# Altium PCB 18 4  第一版.PcbDoc (part 2 of 3)
Units mm, origin at the board's own origin, x right, y up, seen from the top; angles counter-clockwise.
Board outline 322.75 x 95.07 mm, 2 copper layers (Top Layer, Bottom Layer); 287 components, 198 nets, 1010 pads, 292 vias.
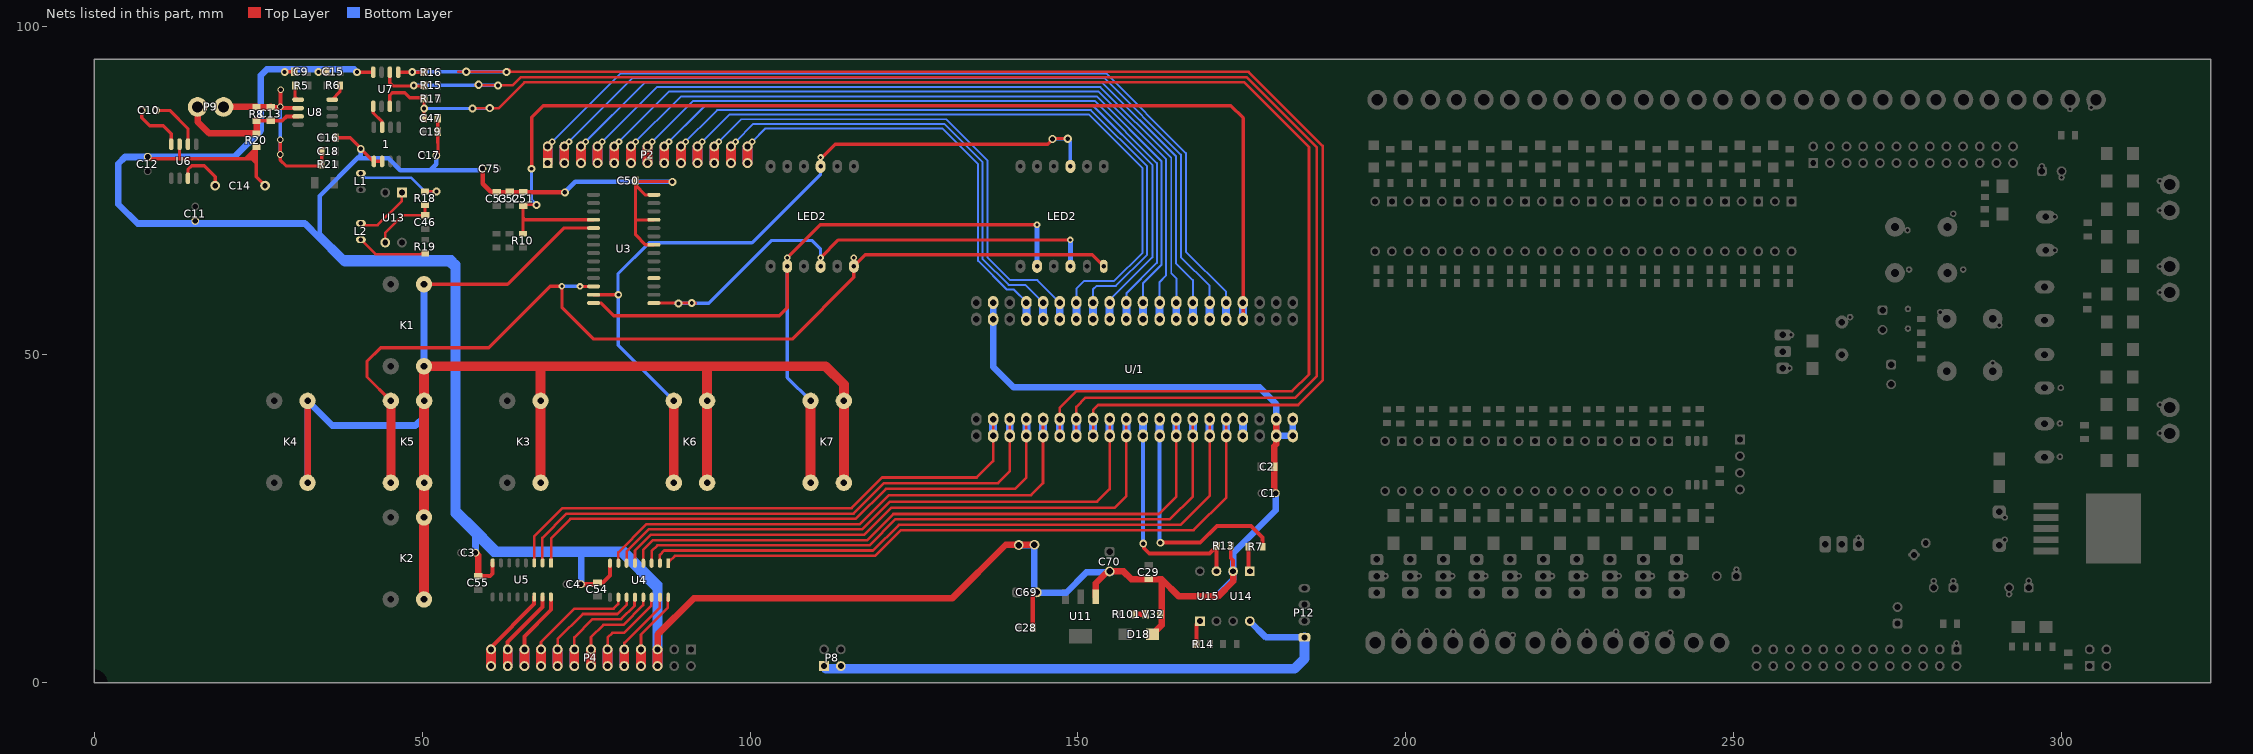
[diagram p2: the nets of this part, all layers, seen from the top]

## Via types
v1: diameter 1, hole 0.5, Top Layer to Bottom Layer, 155 vias
v2: diameter 3.5, hole 3, Top Layer to Bottom Layer, 43 vias
v3: diameter 1.2, hole 0.6, Top Layer to Bottom Layer, 28 vias
v4: diameter 1.6, hole 1.6, Top Layer to Bottom Layer, 14 vias
v5: diameter 6, hole 3.5, Top Layer to Bottom Layer, 11 vias
v6: diameter 1.25, hole 0.7, Top Layer to Bottom Layer, 11 vias
v7: diameter 1.27, hole 0.711, Top Layer to Bottom Layer, 11 vias
v8: diameter 3.05, hole 3.05, Top Layer to Bottom Layer, 6 vias
v9: diameter 1.2, hole 0.7, Top Layer to Bottom Layer, 4 vias
v10: diameter 1, hole 0.7, Top Layer to Bottom Layer, 4 vias
v11: diameter 1.5, hole 1, Top Layer to Bottom Layer, 2 vias
v12: diameter 1.2, hole 0.8, Top Layer to Bottom Layer, 2 vias
v13: diameter 3, hole 3, Top Layer to Bottom Layer, 1 vias

## Nets (pads, with @x,y where several pads share a name; then routed paths per layer and width w, separated by ;. In a path a pad name is that pad's centre, name@x,y a point inside that pad or via, vN(x,y) a via of type N, cw(c..) or ccw(c..) an arc to the next point about the centre after c; other vN are vias at no path point) (continued)
DVCC: P8.1 P8.3 P12.1 U14.4 | length 86.2
  Bottom Layer w1: U14.4@176.205,9.38 178.685,6.9 P12.1@184.525,6.9
  Bottom Layer w1.5: P8.1@111.55,2.125 183,2.125 184.525,3.65 P12.1@184.525,6.9
E: K5.2 LED2.1 U3.12 | length 155.5
  Top Layer w0.5: K5.2@45.212,42.98 41.575,46.617 41.575,49 43.65,51.075 60.125,51.075 69.5,60.45 v1(71.3,60.45) 71.3,57.25 76.15,52.4 106.425,52.4 115.824,61.799 LED2.1@115.824,63.5 ; v1(74.06,60.435) U3.12@76.124,60.435 ; v1(115.824,64.799) LED2.1@115.824,63.5 ; LED2.1@153.924,63.5 152.174,65.25 117.574,65.25 LED2.1@115.824,63.5
  Top Layer w1.4: K5.2@45.212,30.48 K5.2@45.212,42.98
  Bottom Layer w0.5: v1(71.3,60.45) 74.045,60.45 v1(74.06,60.435)
F: K6.2 LED2.10 U3.13 | length 124.1
  Top Layer w0.5: U3.13@76.124,59.165 v3(79.9,59.165) ; LED2.10@110.744,78.74 110.744,79.869 113,82.125 145.375,82.125 146.225,82.975 v7@148.425,82.975
  Top Layer w1.5: K6.2@88.367,30.48 K6.2@88.367,42.98
  Bottom Layer w0.5: v3@79.85,59.425 79.85,62.325 84.625,67.1 100.3,67.1 110.744,77.544 LED2.10@110.744,78.74 ; v3@79.875,59.165 79.875,51.472 K6.2@88.367,42.98 ; v7(146.125,82.925) 148.4,82.925 v7(148.425,82.95) 148.844,82.531 LED2.10@148.844,78.74
  other v1: 110.75,80.1
G: K7.2 LED2.5 U3.14 | length 119.5
  Top Layer w0.5: U3.14@76.124,57.895 77.28,57.895 79.225,55.95 104.45,55.95 105.664,57.164 LED2.5@105.664,63.5 v1(105.664,64.799) 110.69,69.825 v1(143.75,69.825)
  Top Layer w1.5: K7.2@109.22,30.48 K7.2@109.22,42.98
  Bottom Layer w0.5: LED2.5@105.664,63.5 105.664,46.536 K7.2@109.22,42.98
  Bottom Layer w0.8: LED2.5@143.75,63.514 v1(143.75,69.825)
G12V: 
GND: 1.5 1.6 C1.2 C2.2 C3.2 C4.1 C9.1 C11.2 C12.1 C14.1 C15.1 C16.2 C17.2 C19.1 C28.2 C29.2 C47.1 C50.1 C51.2 C52.1 C53.1 C54.1 C55.1 C69.2 C70.2 C75.2 D18.1 P4.3 P4.16 R13.2 R20.1 U3.22 U3.25 U3.28 U4.8 U5.8 U6.3 U7.4 U11.1 U14.2 U/1.19 U/1.39 U/1.40 V32.K | length 706.2
  Top Layer w0.5: C12.1@7.875,80.17 8.145,79.9 23,79.9 ; 12.99,80.05 U6.3@12.99,82.125 U6.3@12.99,82.275 ; R20.1@24.4,81.3 23.412,80.312 ; R20.1@24.7,81.675 24.7,81 ; C14.1@26.035,75.8 24.7,77.135 24.7,79.2 ; v3(29.025,93.125) 29.05,93.15 C9.1@30.475,93.15 ; v3@34.15,93.1 C15.1@35.375,93.1 ; C16.2@36.753,83.092 39.028,83.092 v9@40.672,81.448 ; v3@39.85,93.1 v3(40.025,93.1) U7.4@42.52,93.1 ; v9(40.625,81.4) 42.525,79.5 1.5@42.62,79.5 1.6@43.89,79.5 ; C47.1@52.375,86.15 52.375,84.15 52.376,84.05 52.395,80.401 C17.2@52.396,80.2 ; U3.22@85.326,66.785 84.04,66.785 82.525,68.3 82.525,70.575 ; U3.25@85.326,70.595 85.306,70.575 82.525,70.575 ; U3.28@85.326,74.405 85.296,74.375 84,74.375 82.525,75.85 ; v6@88.4,76.475 88.35,76.425 82.525,76.425 82.525,75.85 ; 23,79.9 24,79.9 ; 23,79.9 23.412,80.312 ; 23.412,80.312 23.838,80.312 23.925,80.225 ; 23.925,80.225 24.7,80.225 ; 23.925,80.225 24.7,81 ; 24,79.9 24.475,79.9 24.7,80.125 ; 24,79.9 24.7,79.2 ; 24.7,79.2 24.7,80.125 ; 24.7,80.125 24.7,80.225 ; 24.7,80.225 24.7,81 ; 82.525,70.575 82.525,75.85
  Top Layer w0.6: C55.1@58.55,16.275 60.375,16.275 60.73,16.63 U5.8@60.73,18.275 ; C54.1@76.725,15.275 77.55,15.275 78.63,16.355 U4.8@78.63,18.225 ; R13.2@173.303,20.85 173.303,18.997 173.665,18.635 U14.2@173.665,17
  Top Layer w0.7: C75.2@59.2,78.4 59.2,76.075 60.5,74.775 v6(71.75,74.775) ; C4.1@74.2,15.025 76.475,15.025 C54.1@76.725,15.275 ; C28.2@143.125,8.375 143.125,13.175 C69.2@143.725,13.775
  Top Layer w1: C3.2@58.125,19.825 58.55,19.4 C55.1@58.55,16.275 ; P4.3@85.892,5.08 85.892,7.342 91.4,12.85 130.8,12.85 139,21.05 v11@143.4,21.05 ; U11.1@152.7,13.1 152.7,15.15 C70.2@154.3,16.75 ; C70.2@154.825,16.975 156.95,16.975 158.15,15.775 162.775,15.775 ; D18.1@161.35,7.375 162.75,8.775 162.75,15.75 162.775,15.775 ; U14.2@173.665,17 173.665,15.465 171.35,13.15 165.4,13.15 162.775,15.775 ; C1.2@180.175,28.9 179.95,29.125 C2.2@179.95,32.9 179.95,36.05 180.25,36.35 180.25,40.17 U/1.39@180.235,40.185
  Top Layer w1.5: P4.16@85.892,2.54 P4.3@85.892,5.08
  Bottom Layer w0.7: 34.375,68.325 34.375,74.225 40.1,79.95 ; v9(40.625,81.4) 40.625,80.475 40.1,79.95 ; C17.2@52.15,80.4 52.15,79.075 51.25,78.175 ; C75.2@59.2,78.4 58.975,78.175 51.25,78.175 ; v6(71.75,74.775) 73.35,76.375 v6(88.15,76.375) ; C69.2@143.35,14.15 C69.2@143.725,13.775 ; 40.1,79.95 44.859,79.95 46.634,78.175 51.25,78.175
  Bottom Layer w1: C12.1@7.875,80.17 4.67,80.17 3.65,79.15 3.65,72.975 6.6,70.025 32.1,70.025 34.35,67.775 ; C12.1@8.125,80.2 21.375,80.2 25.4,84.225 25.4,92.625 26.3,93.525 ; 27.075,93.525 26.3,93.525 ; 33.675,68.425 38.156,63.944 54.094,63.944 ; 34.375,68.325 37.987,64.713 53.325,64.713 ; v3(40.025,93.1) 39.6,93.525 26.3,93.525 ; C3.2@58.125,19.825 58.125,22.4 ; 60.85,19.675 74.25,19.675 ; C4.1@74.2,15.025 74.25,15.075 74.25,19.675 ; P4.3@85.65,4.625 85.65,14.3 80.275,19.675 74.25,19.675 ; P4.3@86.125,4.625 86.125,15 80.875,20.25 61.45,20.25 60.75,20.95 ; U/1.19@137.055,57.965 137.055,48.17 140.2,45.025 177.7,45.025 180.235,42.49 U/1.39@180.235,40.185 ; v11(140.975,20.975) 143.3,20.975 v11(143.35,21.025) C69.2@143.35,14.15 ; C69.2@144.05,13.725 148.2,13.725 151.3,16.825 C70.2@155.125,16.825 ; 171.775,13.85 173.665,15.74 U14.2@173.665,17 ; U14.2@173.475,16.81 U14.2@173.665,17 ; C1.2@180.175,28.9 180.175,26.3 173.665,19.79 U14.2@173.665,17 ; U/1.39@180.175,40.125 U/1.39@180.235,40.185 ; U/1.40@182.775,40.185 U/1.40@182.775,37.645 U/1.39@180.235,37.645 U/1.39@180.235,40.185 ; 53.325,64.713 54.094,63.944 ; 53.325,64.713 54.462,64.713 55.35,63.825 ; 54.094,63.944 55.231,63.944 55.35,63.825 ; 54.094,63.944 54.775,63.262 54.775,25.75 55.35,25.175 ; 55.35,25.175 58.125,22.4 ; 55.35,25.175 55.35,26.35 ; 55.35,26.35 58.275,23.425 ; 55.35,26.35 55.35,63.825 ; 58.125,22.4 60.75,19.775 60.75,20.95 ; 58.125,22.4 58.125,23.275 58.275,23.425 ; 58.275,23.425 60.75,20.95
  Bottom Layer w1.5: P4.16@85.892,2.54 P4.3@85.892,5.08
  other v3: 34.15,93.125
H: LED2.3 U3.15 | length 80.3
  Top Layer w0.5: U3.15@85.326,57.895 91.67,57.895 v3@91.675,57.9 ; LED2.3@110.744,63.5 v1(110.744,64.799) 113.47,67.525 v1(148.844,67.525)
  Bottom Layer w0.5: v3@88.525,57.875 93.7,57.875 103.275,67.45 109.425,67.45 110.744,66.131 LED2.3@110.744,63.5
  Bottom Layer w0.8: LED2.3@148.844,63.5 v1(148.844,67.525)
  other v3: 89.075,57.85 91.1,57.9
I1: 
I2: 
I3: 
I4: 
I5: 
I6: 
I7: 
I8: 
I9: 
IA: 
IB: 
IC: 
ID: 
IE: 
IN1: P2.1 P2.14 U/1.5 | length 139.9
  Top Layer w1.5: P2.1@69.128,79.248 P2.14@69.128,81.788
  Bottom Layer w0.3: P2.14@69.128,81.788 80.265,92.925 154.3,92.925 166.45,80.775 166.45,65.75 172.595,59.605 U/1.5@172.595,57.965
  Bottom Layer w1.2: U/1.5@172.595,55.425 U/1.5@172.595,57.965
  Bottom Layer w1.5: P2.1@69.128,79.248 P2.14@69.128,81.788
  other v1: 69.846,82.506
IN2: P2.2 P2.15 U/1.6 | length 135.2
  Top Layer w1.5: P2.2@71.668,79.248 P2.15@71.668,81.788
  Bottom Layer w0.3: P2.15@71.668,81.788 82.105,92.225 154.01,92.225 165.7,80.535 165.7,64.875 170.075,60.5 U/1.6@170.075,57.965
  Bottom Layer w1.2: U/1.6@170.075,55.425 U/1.6@170.075,57.965
  Bottom Layer w1.5: P2.2@71.668,79.248 P2.15@71.668,81.788
  other v1: 72.386,82.506
IN3: P2.3 P2.16 U/1.7 | length 130.4
  Top Layer w1.5: P2.3@74.208,79.248 P2.16@74.208,81.788
  Bottom Layer w0.3: P2.16@74.208,81.788 83.945,91.525 153.72,91.525 164.925,80.32 164.925,64 167.535,61.39 U/1.7@167.535,57.965
  Bottom Layer w1.2: U/1.7@167.535,55.425 U/1.7@167.535,57.965
  Bottom Layer w1.5: P2.3@74.208,79.248 P2.16@74.208,81.788
  other v1: 74.926,82.506
IN4: P2.4 P2.17 U/1.8 | length 125.7
  Top Layer w1.5: P2.4@76.748,79.248 P2.17@76.748,81.788
  Bottom Layer w0.3: P2.17@76.748,81.788 85.785,90.825 153.43,90.825 164.225,80.03 164.225,62.425 164.995,61.655 U/1.8@164.995,57.965
  Bottom Layer w1.2: U/1.8@164.995,55.425 U/1.8@164.995,57.965
  Bottom Layer w1.5: P2.4@76.748,79.248 P2.17@76.748,81.788
  other v1: 77.466,82.506
IN5: P2.5 P2.18 U/1.9 | length 121.8
  Top Layer w1.5: P2.5@79.288,79.248 P2.18@79.288,81.788
  Bottom Layer w0.3: P2.18@79.288,81.788 87.625,90.125 153.14,90.125 163.45,79.815 163.45,62.1 162.455,61.105 U/1.9@162.455,57.965
  Bottom Layer w1.2: U/1.9@162.455,55.425 U/1.9@162.455,57.965
  Bottom Layer w1.5: P2.5@79.288,79.248 P2.18@79.288,81.788
  other v1: 80.006,82.506
IN6: P2.6 P2.19 U/1.10 | length 118.5
  Top Layer w1.5: P2.6@81.828,79.248 P2.19@81.828,81.788
  Bottom Layer w0.3: P2.19@81.828,81.788 89.465,89.425 152.85,89.425 162.737,79.538 162.737,63.722 159.915,60.9 U/1.10@159.915,57.965
  Bottom Layer w1.2: U/1.10@159.915,55.425 U/1.10@159.915,57.965
  Bottom Layer w1.5: P2.6@81.828,79.248 P2.19@81.828,81.788
  other v1: 82.546,82.506
IN7: P2.7 P2.20 U/1.11 | length 115.3
  Top Layer w1.5: P2.7@84.368,79.248 P2.20@84.368,81.788
  Bottom Layer w0.3: P2.20@84.368,81.788 91.305,88.725 152.56,88.725 162.037,79.248 162.037,64.012 157.375,59.35 U/1.11@157.375,57.965
  Bottom Layer w1.2: U/1.11@157.375,55.425 U/1.11@157.375,57.965
  Bottom Layer w1.5: P2.7@84.368,79.248 P2.20@84.368,81.788
  other v1: 85.086,82.506
IN8: P2.8 P2.21 U/1.12 | length 112
  Top Layer w1.5: P2.8@86.908,79.248 P2.21@86.908,81.788
  Bottom Layer w0.3: P2.21@86.908,81.788 93.145,88.025 152.27,88.025 161.337,78.958 161.337,64.862 U/1.12@154.637,58.162
  Bottom Layer w1.2: U/1.12@154.835,55.425 U/1.12@154.835,57.965
  Bottom Layer w1.5: P2.8@86.908,79.248 P2.21@86.908,81.788
  other v1: 87.626,82.506
IN9: P2.9 P2.22 U/1.13 | length 110.5
  Top Layer w1.5: P2.9@89.448,79.248 P2.22@89.448,81.788
  Bottom Layer w0.3: P2.22@89.448,81.788 94.985,87.325 151.98,87.325 160.55,78.755 160.55,65.281 155.794,60.525 152.85,60.525 152.295,59.97 U/1.13@152.295,57.965
  Bottom Layer w1.2: U/1.13@152.295,55.425 U/1.13@152.295,57.965
  Bottom Layer w1.5: P2.9@89.448,79.248 P2.22@89.448,81.788
  other v1: 90.166,82.506
IN10: P2.10 P2.23 U/1.14 | length 108.2
  Top Layer w1.5: P2.10@91.988,79.248 P2.23@91.988,81.788
  Bottom Layer w0.3: P2.23@91.988,81.788 96.825,86.625 151.69,86.625 159.85,78.465 159.85,65.6 155.525,61.275 150.975,61.275 149.755,60.055 U/1.14@149.755,57.965
  Bottom Layer w1.2: U/1.14@149.755,55.425 U/1.14@149.755,57.965
  Bottom Layer w1.5: P2.10@91.988,79.248 P2.23@91.988,81.788
  other v1: 92.706,82.506
IN11: P2.11 P2.24 U/1.15 | length 81.2
  Top Layer w1.5: P2.11@94.528,79.248 P2.24@94.528,81.788
  Bottom Layer w0.3: v1(95.246,82.506) 98.665,85.925 129.9,85.925 136.175,79.65 136.175,64.9 139.7,61.375 143.805,61.375 U/1.15@147.215,57.965
  Bottom Layer w1.2: U/1.15@147.215,55.425 U/1.15@147.215,57.965
  Bottom Layer w1.5: P2.11@94.528,79.248 P2.24@94.528,81.788
IN12: P2.12 P2.25 U/1.16 | length 75.8
  Top Layer w1.5: P2.12@97.068,79.248 P2.25@97.068,81.788
  Bottom Layer w0.3: v1(97.786,82.506) 100.505,85.225 129.61,85.225 135.475,79.36 135.475,64.61 139.41,60.675 141.965,60.675 U/1.16@144.675,57.965 ; U/1.16@144.675,55.425 U/1.16@144.875,55.625
  Bottom Layer w1.2: U/1.16@144.675,55.425 U/1.16@144.675,57.965
  Bottom Layer w1.5: P2.12@97.068,79.248 P2.25@97.068,81.788
IN13: P2.13 P2.26 U/1.17 | length 69.9
  Top Layer w1.5: P2.13@99.608,79.248 P2.26@99.608,81.788
  Bottom Layer w0.3: v1(100.326,82.506) 102.345,84.525 129.32,84.525 134.775,79.07 134.775,64.32 139.136,59.959 140.191,59.959 U/1.17@142.16,57.99
  Bottom Layer w1.2: U/1.17@142.135,55.425 U/1.17@142.135,57.965
  Bottom Layer w1.5: P2.13@99.608,79.248 P2.26@99.608,81.788
IN14: 
K1: K1.1 K2.1 K3.1 K4.1 K5.1 K6.1 K7.1 U3.5 | length 245.7
  Top Layer w0.5: K1.1@50.267,60.76 63.01,60.76 71.575,69.325 U3.5@76.124,69.325
  Top Layer w1: K4.1@32.512,30.48 K4.1@32.512,42.98 ; K2.1@50.267,12.7 K2.1@50.292,12.725 ; K1.1@50.267,48.26 K1.1@50.292,48.235 ; 68.047,48.232 68.075,48.26
  Top Layer w1.5: K1.1@50.267,48.26 68.075,48.26 111.515,48.26 114.3,45.475 K7.1@114.3,42.98 K7.1@114.3,30.48 ; K2.1@50.292,12.725 50.292,18.127 50.277,18.142 50.277,19.758 50.292,19.773 K5.1@50.292,30.48 K5.1@50.292,42.98 K1.1@50.292,48.235 ; K3.1@68.047,30.48 K3.1@68.047,42.98 68.047,48.232 ; K6.1@93.447,30.48 K6.1@93.447,42.98 93.447,48.153
  Bottom Layer w1: K4.1@32.512,30.48 K4.1@32.512,42.98 36.267,39.225 48.95,39.225 50.292,40.567 K5.1@50.292,42.98 50.267,43.005 K1.1@50.267,48.26 K1.1@50.267,60.76
L: 
LED_COM: U3.18
MCU_RX: R7.1 U/1.32 | length 37.6
  Top Layer w0.6: v9(162.575,21.35) 168.65,21.35 171.175,23.875 176.4,23.875 178.125,22.15 R7.1@178.125,20.725
  Bottom Layer w0.6: v9@162.455,21.35 U/1.32@162.455,37.645
  Bottom Layer w1.2: U/1.32@162.455,37.645 U/1.32@162.455,40.185
MCU_TX: R13.1 U15.3 U/1.31 | length 35.5
  Top Layer w0.6: v9@160.075,21.2 160.075,20.5 160.875,19.7 170.053,19.7 R13.1@171.125,20.772 ; U15.3@171.125,17 R13.1@171.125,20.772 ; R13.1@171.203,20.85 R13.1@171.125,20.772
  Bottom Layer w0.6: v9@159.915,21.1 U/1.31@159.915,37.645
  Bottom Layer w1.2: U/1.31@159.915,37.645 U/1.31@159.915,40.185
  other v9: 159.95,21.2
MO1: P4.4 P4.17 pad.1@83.352,5.08 U4.16 | length 14.7
  Top Layer w0.4: P4.4@83.352,5.08 83.352,7.352 87.45,11.45 U4.16@87.45,13.025
  Top Layer w1.5: P4.17@83.352,2.54 P4.4@83.352,5.08
  Bottom Layer w1.5: P4.17@83.352,2.54 P4.4@83.352,5.08
MO2: P4.5 P4.18 U4.15 | length 15.3
  Top Layer w0.4: P4.5@80.812,5.08 80.812,6.062 86.225,11.475 U4.15@86.225,13.025
  Top Layer w1.5: P4.18@80.812,2.54 P4.5@80.812,5.08
  Bottom Layer w1.5: P4.18@80.812,2.54 P4.5@80.812,5.08
MO3: P4.6 P4.19 U4.14 | length 16.8
  Top Layer w0.4: P4.6@78.272,5.08 78.272,6.872 79,7.6 80.792,7.6 84.95,11.758 U4.14@84.95,13.025
  Top Layer w1.5: P4.19@78.272,2.54 P4.6@78.272,5.08
  Bottom Layer w1.5: P4.19@78.272,2.54 P4.6@78.272,5.08
MO4: P4.7 P4.20 U4.13 | length 18.1
  Top Layer w0.4: P4.7@75.732,5.08 75.732,6.932 77.625,8.825 80.675,8.825 83.675,11.825 U4.13@83.675,13.025
  Top Layer w1.5: P4.20@75.732,2.54 P4.7@75.732,5.08
  Bottom Layer w1.5: P4.20@75.732,2.54 P4.7@75.732,5.08
MO5: P4.8 P4.21 U4.12 | length 19.4
  Top Layer w0.4: P4.8@73.192,5.08 73.192,6.892 75.975,9.675 80.325,9.675 82.375,11.725 U4.12@82.375,13.025
  Top Layer w1.5: P4.21@73.192,2.54 P4.8@73.192,5.08
  Bottom Layer w1.5: P4.21@73.192,2.54 P4.8@73.192,5.08
MO6: P4.9 P4.22 U4.11 | length 20.5
  Top Layer w0.4: P4.9@70.652,5.08 70.652,6.627 74.5,10.475 79.775,10.475 81.175,11.875 U4.11@81.175,13.025
  Top Layer w1.5: P4.22@70.652,2.54 P4.9@70.652,5.08
  Bottom Layer w1.5: P4.22@70.652,2.54 P4.9@70.652,5.08
MO7: P4.10 P4.23 U4.10 | length 21.4
  Top Layer w0.4: P4.10@68.112,5.08 68.112,6.187 73.2,11.275 79.175,11.275 79.875,11.975 U4.10@79.875,13.025
  Top Layer w1.5: P4.23@68.112,2.54 P4.10@68.112,5.08
  Bottom Layer w1.5: P4.23@68.112,2.54 P4.10@68.112,5.08
MO8: P4.11 P4.24 U5.16 | length 14.8
  Top Layer w0.6: P4.11@65.572,5.08 65.572,7.072 69.62,11.12 U5.16@69.62,13.075
  Top Layer w1.5: P4.24@65.572,2.54 P4.11@65.572,5.08
  Bottom Layer w1.5: P4.24@65.572,2.54 P4.11@65.572,5.08
MO9: P4.12 P4.25 U5.15 | length 15.3
  Top Layer w0.6: P4.12@63.032,5.08 63.032,6.232 68.35,11.55 U5.15@68.35,13.075
  Top Layer w1.5: P4.25@63.032,2.54 P4.12@63.032,5.08
  Bottom Layer w1.5: P4.25@63.032,2.54 P4.12@63.032,5.08
MOA: P4.13 P4.26 U5.14 | length 16.6
  Top Layer w0.3: 67.075,11.975 67.08,11.98 U5.14@67.08,13.075 U5.14@67.075,13.07
  Top Layer w0.6: P4.13@60.492,5.392 67.075,11.975 U5.14@67.075,13.07
  Top Layer w1.5: P4.26@60.492,2.54 P4.13@60.492,5.08
  Bottom Layer w1.5: P4.26@60.492,2.54 P4.13@60.492,5.08
N: 
NetC10_1: C10.1 U6.2 | length 8.2
  Top Layer w0.5: C10.1@9.4,87.275 11.5,87.275 14.26,84.515 U6.2@14.26,82.275
NetC10_2: C10.2 U6.4 | length 7.9
  Top Layer w0.5: C10.2@7.23,87.138 7.23,86.137 8.428,84.938 10.512,84.938 11.72,83.73 U6.4@11.72,82.275
NetC13_1: C13.1 C18.1 P9.1 R8.1 R21.2 U8.2 | length 36.3
  Top Layer w0.5: v10(28.325,82.775) 28.325,79.7 29.222,78.803 34.428,78.803 R21.2@34.653,79.028 C18.1@34.653,81.06
  Top Layer w0.6: C13.1@27.475,87.825 v10(28.375,87.825) 28.375,90.4 v10(28.4,90.425) ; 27.65,87.632 U8.2@31.067,87.632
  Top Layer w1: P9.1@19.705,87.8 24.725,87.8 R8.1@24.75,87.775 26.875,87.775 C13.1@26.9,87.8
  Bottom Layer w0.5: v10@28.325,80.2 v10(28.325,82.775) 28.325,87.775 v10(28.375,87.825) 28.375,90.4 v10(28.4,90.425)
  other v10: 28.35,80.55
NetC13_2: C13.2 P9.2 R8.2 R20.2 U8.3 | length 20.6
  Top Layer w0.6: R8.2@24.75,85.675 24.775,85.7 C13.2@26.9,85.7 28.6,85.7 29.275,86.375 31.054,86.375 U8.3@31.067,86.362
  Top Layer w1: P9.2@15.745,87.8 15.745,85.53 17.5,83.775 R20.2@24.7,83.775 ; R20.2@24.75,83.7 R8.2@24.75,85.675 ; C13.2@26.875,85.725 C13.2@26.9,85.7
NetC14_2: C14.2 U6.7 | length 7.6
  Top Layer w0.5: U6.7@14.26,77.075 14.26,78.26 14.835,78.835 16.765,78.835 18.415,77.185 C14.2@18.415,75.8
NetC20_1: 
NetC20_2: 
NetC22_1: 
NetC24_1: 
NetC24_2: 
NetC25_1: 
NetC26_1: 
NetC46_2: C46.2 R18.2 U13.3 | length 10.2
  Top Layer w0.4: U13.3@44.355,67.115 44.355,68.555 47.1,71.3 C46.2@50.425,71.3 R18.2@50.425,72.825
NetD14_2: 
NetD31_A: 
NetIC1_1: 
NetIC1_2: 
NetIC2_1: 
NetIC2_2: 
NetIC3_1: 
NetIC3_2: 
NetIC4_1: 
NetIC4_2: 
NetIC5_1: 
NetIC5_2: 
NetIC6_1: 
NetIC6_2: 
NetIC7_1: 
NetIC7_2: 
NetIC8_1: 
NetIC8_2: 
NetIC9_1: 
NetIC9_2: 
NetICA_1: 
NetICA_2: 
NetICB_1: 
NetICB_2: 
NetICC_1: 
NetICC_2: 
NetICD_1: 
NetICD_2: 
NetICE_1: 
NetICE_2: 
NetIO1_1: 
NetIO1_2: 
NetIO1_3: 
NetIO1_4: 
NetIO2_1: 
NetIO2_2: 
NetIO2_3: 
NetIO2_4: 
NetIO3_1: 
NetIO3_2: 
NetIO3_3: 
NetIO3_4: 
NetIO4_1: 
NetIO4_2: 
NetIO4_3: 
NetIO4_4: 
NetIO5_1: 
NetIO5_2: 
NetIO5_3: 
NetIO5_4: 
NetIO6_1: 
NetIO6_2: 
NetIO6_3: 
NetIO6_4: 
NetIO7_1: 
NetIO7_2: 
NetIO7_3: 
NetIO7_4: 
NetIO8_1: 
NetIO8_2: 
NetIO8_3: 
NetIO8_4: 
NetIO9_1: 
NetIO9_2: 
NetIO9_3: 
NetIO9_4: 
NetIOA_1: 
NetIOA_3: 
NetIOA_5: 
NetR5_1: R5.1 U8.1 | length 2.4
  Top Layer w0.5: R5.1@30.585,91.061 30.585,89.384 U8.1@31.067,88.902
NetR6_1: R6.1 U8.8 | length 2.6
  Top Layer w0.5: U8.8@36.267,88.902 37.45,90.085 R6.1@37.45,91.061
NetR7_2: R7.2 U14.1 | length 3.8
  Top Layer w0.6: R7.2@176.025,20.725 176.025,17.18 U14.1@176.205,17
NetR14_1: R14.1 U15.1 | length 3.7
  Top Layer w0.6: R14.1@168.056,5.886 168.056,8.851 U15.1@168.585,9.38
NetR18_1: L1.k R18.1 | length 14.4
  Top Layer w0.4: R18.1@50.425,74.925 v3(52.15,74.925) v3@52.2,74.975
  Bottom Layer w0.4: L1.k@40.64,77.684 41.299,77.025 48.3,77.025 50.4,74.925 v3(52.15,74.925)
NetR19_1: L2.A R19.1 | length 11.2
  Top Layer w0.4: L2.A@40.64,67.564 42.854,65.35 R19.1@50.375,65.35 ; R19.1@49.95,65.45 R19.1@50.45,65.45
NetR101_1: R101.1 V32.A | length 1.9
  Top Layer w0.8: R101.1@158.475,10.425 160.323,10.425 V32.A@160.348,10.45
NetR103_1: 
NetU13_1: L2.k U13.1 | length 9.2
  Top Layer w0.4: L2.k@40.64,70.064 40.929,69.775 43.175,69.775 46.895,73.495 U13.1@46.895,74.735
NewNetP6-1: 
NewNetP6-2: 
NewP5-2: 
Newp5_1: 
NRST: U/1.37 | length 2.5
  Bottom Layer w1.2: U/1.37@175.155,37.645 U/1.37@175.155,40.185
O1: 
O2: 
O3: 
O4: 
O5: 
O6: 
O7: 
O8: 
O9: 
OA: 
OGND: 
OUT1: U4.1 U/1.36 | length 103.5
  Top Layer w0.4: U4.1@87.65,18.45 88.55,19.35 119.081,19.35 123.006,23.275 167.625,23.275 172.615,28.265 U/1.36@172.615,37.645 U/1.36@172.615,40.185
  Bottom Layer w1.2: U/1.36@172.615,37.645 U/1.36@172.615,40.185
OUT2: U4.2 U/1.35 | length 102.8
  Top Layer w0.4: U4.2@86.225,18.45 86.225,19.475 86.9,20.15 118.75,20.15 122.675,24.075 165.65,24.075 170.075,28.5 U/1.35@170.075,37.645 U/1.35@170.075,40.185
  Bottom Layer w1.2: U/1.35@170.075,37.645 U/1.35@170.075,40.185
OUT3: U4.3 U/1.34 | length 101.9
  Top Layer w0.4: U4.3@84.98,18.225 84.98,20.08 85.85,20.95 118.206,20.95 122.181,24.925 164.025,24.925 167.525,28.425 U/1.34@167.525,39.95
  Bottom Layer w1.2: U/1.34@167.535,37.645 U/1.34@167.535,40.185
OUT4: U4.4 U/1.33 | length 101.1
  Top Layer w0.4: U4.4@83.71,18.225 83.71,20.291 85.169,21.75 117.875,21.75 121.85,25.725 162.35,25.725 164.995,28.37 U/1.33@164.995,37.645 U/1.33@164.995,40.185
  Bottom Layer w1.2: U/1.33@164.995,37.645 U/1.33@164.995,40.185
OUT5: U4.5 U/1.30 | length 94.6
  Top Layer w0.4: U4.5@82.44,18.225 82.44,20.152 84.863,22.575 117.425,22.575 121.55,26.7 155.625,26.7 157.375,28.45 U/1.30@157.375,37.645 U/1.30@157.375,40.185
  Bottom Layer w1.2: U/1.30@157.375,37.645 U/1.30@157.375,40.185
OUT6: U4.6 U/1.29 | length 92.6
  Top Layer w0.4: U4.6@81.17,18.225 81.17,20.014 84.531,23.375 117.094,23.375 121.319,27.6 152.9,27.6 154.835,29.535 U/1.29@154.835,37.645 U/1.29@154.835,40.185
  Bottom Layer w1.2: U/1.29@154.835,37.645 U/1.29@154.835,40.185
OUT7: U4.7 U/1.25 | length 83.1
  Top Layer w0.4: U4.7@79.9,18.225 79.9,19.875 84.2,24.175 116.725,24.175 121.15,28.6 142.85,28.6 144.675,30.425 U/1.25@144.675,37.645 U/1.25@144.675,40.185
  Bottom Layer w1.2: U/1.25@144.675,37.645 U/1.25@144.675,40.185
OUT8: U5.1 U/1.24 | length 91.4
  Top Layer w0.4: U5.1@69.65,18.35 69.65,22.025 72.6,24.975 116.1,24.975 120.7,29.575 140.4,29.575 142.135,31.31 U/1.24@142.135,37.645 U/1.24@142.135,40.185
  Bottom Layer w1.2: U/1.24@142.135,37.645 U/1.24@142.135,40.185
OUT9: U5.2 U/1.23 | length 89.7
  Top Layer w0.4: U5.2@68.325,18.35 68.325,22.075 72.025,25.775 115.769,25.775 120.419,30.425 137.8,30.425 139.595,32.22 U/1.23@139.595,37.645 U/1.23@139.595,40.185
  Bottom Layer w1.2: U/1.23@139.595,37.645 U/1.23@139.595,40.185
OUTA: U5.3 U/1.22 | length 87.7
  Top Layer w0.4: U5.3@67.08,18.275 67.08,22.33 71.375,26.625 115.475,26.625 120.15,31.3 134.55,31.3 137.055,33.805 U/1.22@137.055,37.645 U/1.22@137.055,40.185
  Bottom Layer w1.2: U/1.22@137.055,37.645 U/1.22@137.055,40.185
STB: C51.1 R10.1 U3.4 U/1.4 | length 174
  Top Layer w0.5: R10.1@65.364,68.463 65.364,70.875 ; 65.384,70.895 65.364,70.875 ; 65.475,70.595 U3.4@76.124,70.595 ; v3@66.7,78.125 66.7,86.25 68.45,88 173.332,88 175.2,86.132 U/1.4@175.2,55.775 ; v3@67.5,72.925 65.625,72.925 65.364,72.664 65.364,70.875
  Bottom Layer w0.5: v3(66.65,78.375) 66.65,73.65 v3(67.425,72.875)
  Bottom Layer w1.2: U/1.4@175.155,55.425 U/1.4@175.155,57.965
VW: 1.3 U7.5 | length 3.8
  Top Layer w0.5: U7.5@42.52,87.9 42.52,86.88 43.89,85.51 1.3@43.89,84.7
X_CS: C47.2 R17.1 U7.7 U/1.26 | length 234.6
  Top Layer w0.4: v3(57.675,87.575) 61.625,87.575 65.6,91.55 175.375,91.55 185.225,81.7 185.225,47.025 182.65,44.45 149.775,44.45 147.215,41.89 U/1.26@147.215,40.185 U/1.26@147.215,37.645
  Top Layer w0.5: U7.7@45.06,87.9 45.06,89.585 45.425,89.95 47.35,89.95 48.1,89.2 R17.1@50.05,89.2 ; C47.2@50.275,86.594 R17.1@50.275,88.869
  Bottom Layer w0.5: v3(50.3,87.575) v6@60.625,87.575
  Bottom Layer w1.2: U/1.26@147.215,37.645 U/1.26@147.215,40.185
  other v6: 60.3,87.625
X_INC: R16.1 U7.1 U/1.28 | length 234.3
  Top Layer w0.4: 55.5,93.15 v3(62.85,93.15) 63.2,93.5 63.55,93.15 176.038,93.15 187.325,81.863 187.325,46.1 183.575,42.35 153.075,42.35 152.325,41.6 152.325,37.675 U/1.28@152.295,37.645
  Top Layer w0.5: U7.1@46.33,93.1 R16.1@50.325,93.1
  Bottom Layer w0.5: v3(48.475,93.15) v3(62.85,93.15)
  Bottom Layer w1.2: U/1.28@152.295,37.645 U/1.28@152.295,40.185
  other v6: 56.725,93.175
X_UD: R15.1 U7.2 U/1.27 | length 233.7
  Top Layer w0.4: v6@58.1,91.1 63.8,91.1 65.05,92.35 175.706,92.35 186.4,81.656 186.4,46.725 183.15,43.475 151.175,43.475 149.75,42.05 U/1.27@149.75,37.35
  Top Layer w0.5: U7.2@45.06,93.1 45.06,91.465 45.525,91 R15.1@50.1,91
  Bottom Layer w0.5: v3(48.7,91.1) v3(61.525,91.1)
  Bottom Layer w1.2: U/1.27@149.755,37.645 U/1.27@149.755,40.185
  other v6: 58.6,91.175
pads on no net: 1.7 C20.1 C20.2 C21.1 C21.2 C22.1 C22.2 C23.1 C23.2 C24.1 C24.2 C25.1 C25.2 C26.1 C26.2 C27.1 C27.2 C30.1 C30.2 C31.1 C31.2 C32.1 C32.2 C33.1 C33.2 C34.1 C34.2 C35.1 C35.2 C36.1 C36.2 C37.1 C37.2 C38.1 C38.2 C39.1 C39.2 C40.1 C40.2 C41.1 C41.2 C42.1 C42.2 C44.1 C44.2 C45.1 C45.2 C60.1 C60.2 C61.1 C61.2 C62.1 C62.2 C63.1 C63.2 C64.1 C64.2 C65.1 C65.2 C66.1 C66.2 C67.1 C67.2 C68.1 C68.2 C71.1 C71.2 D1.1 D1.2 D2.1 D2.2 D3.1 D3.2 D4.1 D4.2 D5.1 D5.2 D6.1 D6.2 D7.1 D7.2 D8.1 D8.2 D9.1 D9.2 D10.1 D10.2 D11.1 D11.2 D12.1 D12.2 D13.1 D13.2 D14.1 D14.2 D15.1 D15.2 D16.1 D16.2 D19.1 D19.2 D20.1 D20.2 D21.1 D21.2 D22.1 D22.2 D23.1 D23.2 D24.1 D24.2 D25.1 D25.2 D26.1 D26.2 D27.1 D27.2 D28.1 D28.2 D31.A D31.K E?.1 E?.2 E?.3 IC1.1 IC1.2 IC1.3 IC1.4 IC2.1 IC2.2 IC2.3 IC2.4 IC3.1 IC3.2 IC3.3 IC3.4 IC4.1 IC4.2 IC4.3 IC4.4 IC5.1 IC5.2 IC5.3 IC5.4 IC6.1 IC6.2 IC6.3 IC6.4 IC7.1 IC7.2 IC7.3 IC7.4 IC8.1 IC8.2 IC8.3 IC8.4 IC9.1 IC9.2 IC9.3 IC9.4 ICA.1 ICA.2 ICA.3 ICA.4 ICB.1 ICB.2 ICB.3 ICB.4 ICC.1 ICC.2 ICC.3 ICC.4 ICD.1 ICD.2 ICD.3 ICD.4 IO1.1 IO1.2 IO1.3 IO1.4 IO2.1 IO2.2 IO2.3 IO2.4 IO3.1 IO3.2 IO3.3 IO3.4 IO4.1 IO4.2 IO4.3 IO4.4 IO5.1 IO5.2 IO5.3 IO5.4 IO6.1 IO6.2 IO6.3 IO6.4 IO7.1 IO7.2 IO7.3 IO7.4 IO8.1 IO8.2 IO8.3 IO8.4 IO9.1 IO9.2 IO9.3 IO9.4 IOA.1 IOA.2 IOA.3 IOA.4 IOA.5 IOA.6 L1_1.1 L1_1.2 L1_1.3 L1_1.4 L2_1.1 L2_1.2 L2_1.3 L2_1.4 L3.1 L3.2 LED2.6 O1.1 O1.2 O1.3 O2.1 O2.2 O2.3 O3.1 O3.2 O3.3 O4.1 O4.2 O4.3 O5.1 O5.2 O5.3 O6.1 O6.2 O6.3 O7.1 O7.2 O7.3 O8.1 O8.2 O8.3 O9.1 O9.2 O9.3 O10.1 O10.2 O10.3 P1.1 P1.2 P1.3 P1.4 P1.5 P1.6 P1.7 P1.8 P1.9 P1.10 P1.11 P1.12 P1.13 P1.14 P1.15 P1.16 P1.17 P1.18 P1.19 P1.20 P1.21 P1.22 P1.23 P1.24 P1.25 P1.26 P02.1 P02.2 P02.3 P02.4 P02.5 P02.6 P3.1 P3.2 P3.3 P3.4 P3.5 P3.6 P3.7 P3.8 P3.9 P3.10 P3.11 P3.12 P3.13 P3.14 P3.15 P3.16 P3.17 P3.18 P3.19 P3.20 P3.21 P3.22 P3.23 P3.24 P3.25 P3.26 P5.1 P5.2 P6.1 P6.2 P7.1 P7.2 P7.3 P7.4 P10.1 P10.2 P11.1 P11.2 P.1 P.2 PI1.1 PI1.2 PI2.1 PI2.2 PI3.1 PI3.2 PI4.1 PI4.2 PI5.1 PI5.2 PI6.1 PI6.2 PI7.1 PI7.2 PI8.1 PI8.2 PI9.1 PI9.2 PI.1 PI.2 PIA.1 PIA.2 PIB.1 PIB.2 PIC.1 PIC.2 PID.1 PID.2 PO1.1 PO1.2 PO1.3 PO1.4 PO1.5 PO1.6 PO.1 PO.2 POA.1 POA.2 POA.3 POA.4 R30.1 R30.2 R31.1 R31.2 R32.1 R32.2 R33.1 R33.2 R34.1 R34.2 R35.1 R35.2 R36.1 R36.2 R37.1 R37.2 R38.1 R38.2 R39.1 R39.2 R40.1 R40.2 R41.1 R41.2 R42.1 R42.2 R43.1 R43.2 R44.1 R44.2 R45.1 R45.2 R46.1 R46.2 R47.1 R47.2 R48.1 R48.2 R49.1 R49.2 R50.1 R50.2 R51.1 R51.2 R52.1 R52.2 R53.1 R53.2 R54.1 R54.2 R55.1 R55.2 R56.1 R56.2 R57.1 R57.2 R58.1 R58.2 R59.1 R59.2 R60.1 R60.2 R61.1 R61.2 R62.1 R62.2 R63.1 R63.2 R64.1 R64.2 R65.1 R65.2 R66.1 R66.2 R67.1 R67.2 R68.1 R68.2 R72.1 R72.2 R73.1 R73.2 R74.1 R74.2 R75.1 R75.2 R76.1 R76.2 R77.1 R77.2 R78.1 R78.2 R79.1 R79.2 R80.1 R80.2 R81.1 R81.2 R82.1 R82.2 R83.1 R83.2 R84.1 R84.2 R85.1 R85.2 R86.1 R86.2 R87.1 R87.2 R88.1 R88.2 R90.1 R90.2 R91.1 R91.2 R100.1 R100.2 R102.1 R102.2 R103.1 R103.2 U3.1 U3.6 U3.16 U3.17 U5.4 U5.5 U5.6 U5.7 U5.10 U5.11 U5.12 U5.13 U6.1 U6.6 U8.5 U9.0 U9.1 U9.2 U9.3 U9.4 U9.5 U10.1 U10.2 U10.3 V1.A V1.K V2.A V2.K V3.A V3.K V4.A V4.K V5.A V5.K V6.A V6.K V7.A V7.K V8.A V8.K V9.A V9.K V10.A V10.K V11.A V11.K V12.A V12.K V13.A V13.K V15.A V15.K V16.A V16.K V17.A V17.K V18.A V18.K V19.A V19.K V20.A V20.K V21.A V21.K V22.A V22.K V23.A V23.K V24.A V24.K V30.A V30.K